# KiCad board jetson-nano-baseboard.kicad_pcb (continued)
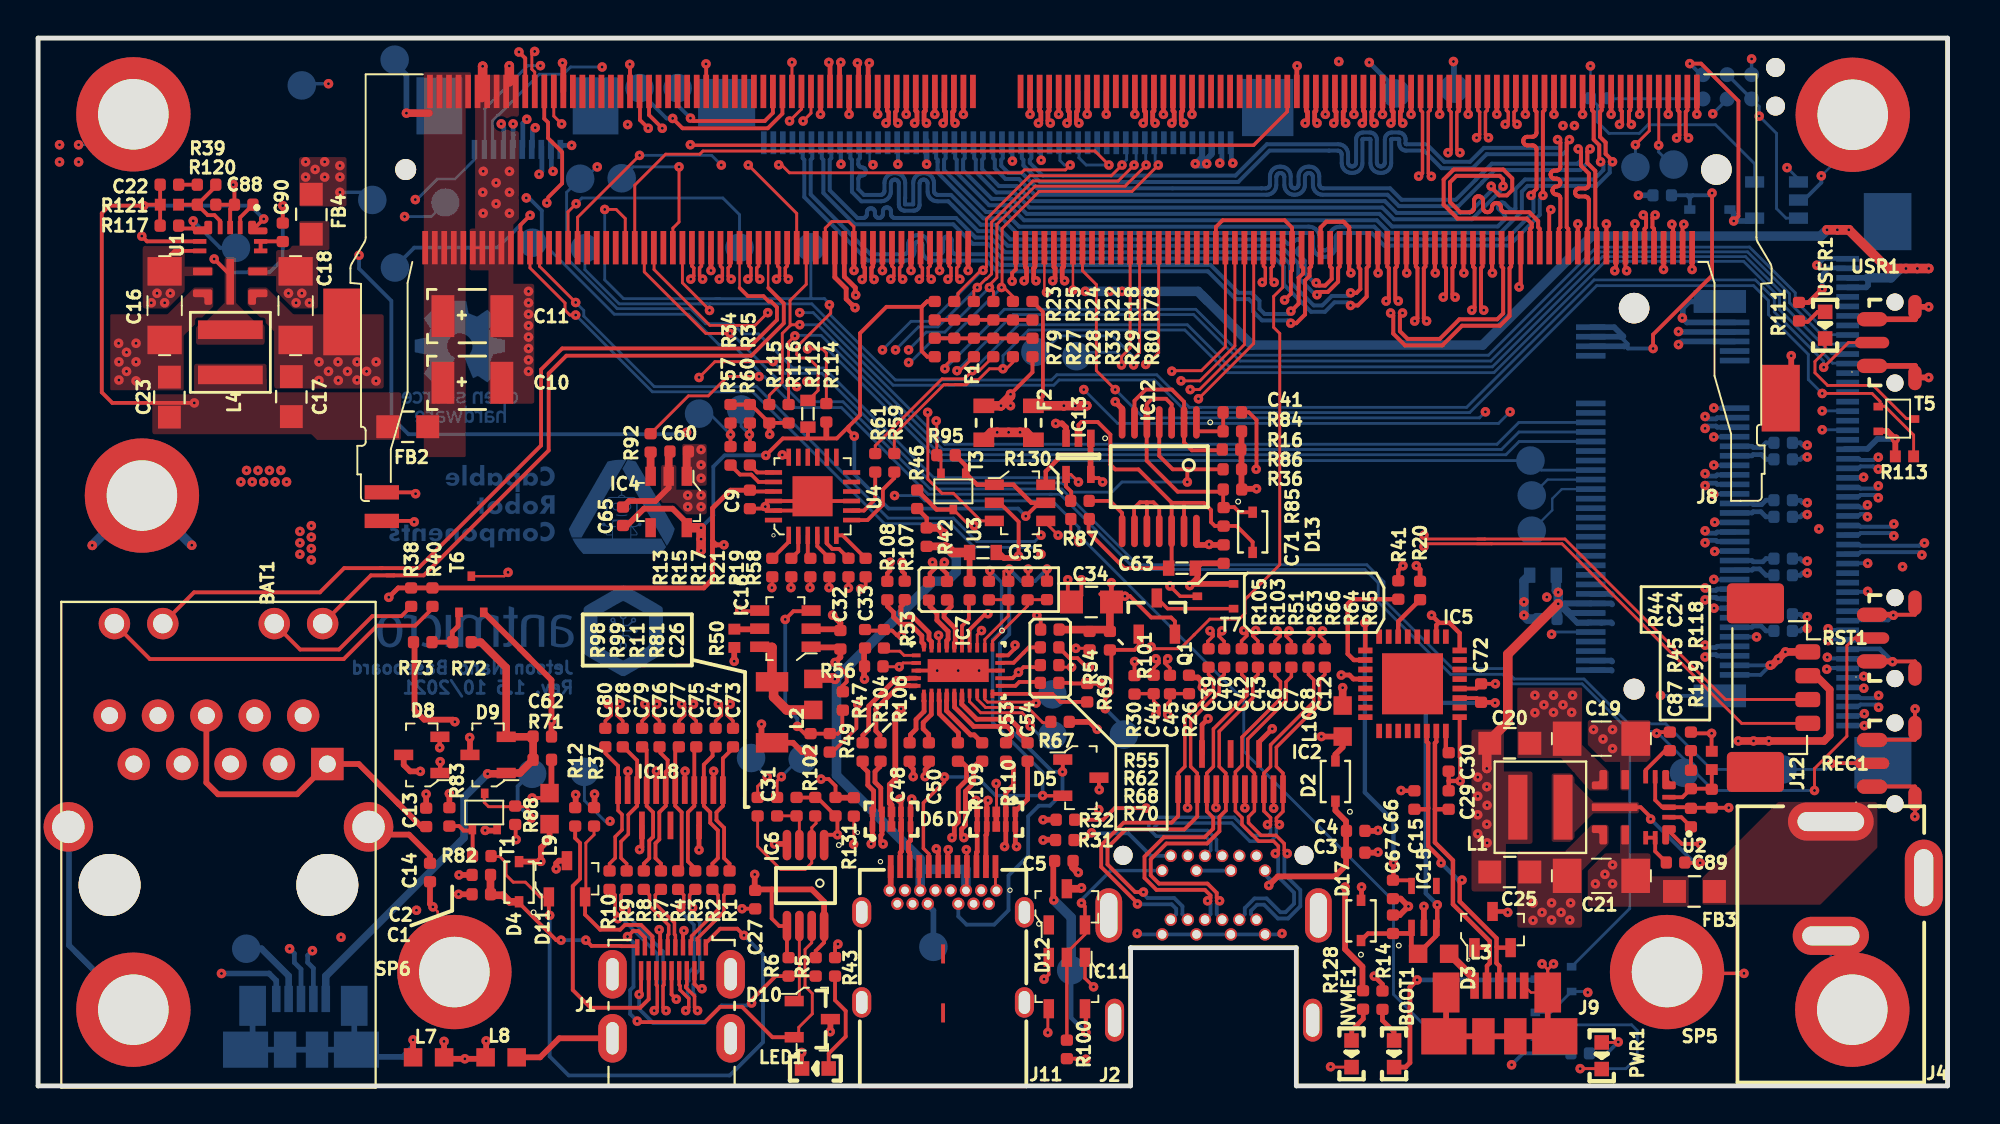
[diagram p0: board, top side]
## Routing (per net, layer and track width the routed paths; a pad name or vN(x,y) marks a point on that pad's centre or on a via; arc(x,y) is an arc through that point) (continued)
/CSI/CSI_C_D1_N: length 55.7
  Top w0.21: v1(72.88,40.15) 72.74,40.29 72.74,42.93 72.82,43.01 72.82,44
  In5_3V3_SYS_SIGNAL.Cu w0.128: v1(72.88,40.15) 72.7,40.33 72.7,40.4 72.89,40.59 74.09,40.59 76.06,38.62 76.06,36.4 76.43,36.03 76.43,29.95 76.43,29.92 76.42,29.89 76.4,29.87 76.38,29.85 76.36,29.83 76.33,29.83 76.3,29.82 75.92,29.82 75.84,29.81 75.76,29.79 75.69,29.74 75.64,29.69 75.59,29.62 75.57,29.54 75.56,29.46 75.56,29.42 75.57,29.34 75.59,29.26 75.64,29.2 75.69,29.14 75.76,29.1 75.84,29.07 75.92,29.06 76.91,29.06 76.93,29.06 76.95,29.05 76.97,29.04 76.99,29.02 77,29 77,28.98 77.01,28.96 77.01,28.9 77,28.88 77,28.86 76.99,28.84 76.97,28.83 76.95,28.81 76.93,28.81 76.91,28.8 75.92,28.8 75.84,28.8 75.76,28.77 75.69,28.73 75.64,28.67 75.59,28.6 75.57,28.52 75.56,28.45 75.56,28.4 75.57,28.32 75.59,28.25 75.64,28.18 75.69,28.12 75.76,28.08 75.84,28.05 75.92,28.04 76.91,28.04 76.93,28.04 76.95,28.03 76.97,28.02 76.99,28.01 77,27.99 77,27.97 77.01,27.94 77.01,27.88 77,27.86 77,27.84 76.99,27.82 76.97,27.81 76.95,27.8 76.93,27.79 76.91,27.79 75.92,27.79 75.84,27.78 75.76,27.75 75.69,27.71 75.64,27.65 75.59,27.58 75.57,27.51 75.56,27.43 75.56,27.38 75.57,27.3 75.59,27.23 75.64,27.16 75.69,27.1 75.76,27.06 75.84,27.03 75.92,27.02 76.91,27.02 76.93,27.02 76.95,27.01 76.97,27 76.99,26.99 77,26.97 77,26.95 77.01,26.93 77.01,26.87 77,26.84 77,26.82 76.99,26.8 76.97,26.79 76.95,26.78 76.93,26.77 76.91,26.77 75.92,26.77 75.84,26.76 75.76,26.73 75.69,26.69 75.64,26.63 75.59,26.56 75.57,26.49 75.56,26.41 75.56,26.37 75.57,26.29 75.59,26.21 75.64,26.14 75.69,26.08 75.76,26.04 75.84,26.02 75.92,26.01 77.23,26.01 77.26,26 77.28,25.99 77.31,25.98 77.33,25.96 77.34,25.93 77.35,25.91 77.36,25.88 77.35,25.85 77.34,25.82 77.33,25.8 77.31,25.78 77.28,25.76 77.26,25.75 77.23,25.75 76.79,25.75 76.71,25.74 76.64,25.71 76.57,25.67 76.51,25.61 76.47,25.55 76.44,25.47 76.43,25.39 76.43,24.79 78.31,22.92 84.41,22.92 86.57,20.76 91.9,20.76 92.2,21.06 94.67,21.06 94.71,21.05 94.74,21.04 94.77,21.03 94.79,21 94.81,20.97 94.82,20.94 94.82,20.91 94.82,20.87 94.83,20.84 94.84,20.81 94.86,20.78 94.88,20.75 94.91,20.74 94.94,20.73 94.97,20.72 95.01,20.73 95.04,20.74 95.07,20.75 95.09,20.78 95.11,20.81 95.12,20.84 95.12,20.87 95.12,20.91 95.13,20.94 95.14,20.97 95.16,21 95.18,21.03 95.21,21.04 95.24,21.05 95.27,21.06 95.64,21.06 v1(95.83,20.87)
  Bottom w0.21: v1(95.83,20.87) 95.77,20.94 94.84,20.94
/CSI/CSI_C_D1_P: length 55.7
  Top w0.21: v1(72.26,40.15) 72.4,40.29 72.4,42.93 72.32,43.01 72.32,44
  In5_3V3_SYS_SIGNAL.Cu w0.128: v1(95.83,21.5) 95.64,21.31 92.1,21.31 91.79,21.01 86.68,21.01 84.52,23.17 78.42,23.17 76.69,24.9 76.69,25.37 76.69,25.4 76.7,25.42 76.71,25.45 76.73,25.47 76.76,25.48 76.79,25.49 76.81,25.5 77.25,25.5 77.33,25.51 77.41,25.53 77.48,25.58 77.53,25.63 77.57,25.7 77.6,25.78 77.61,25.86 77.61,25.9 77.6,25.98 77.57,26.06 77.53,26.12 77.48,26.18 77.41,26.22 77.33,26.25 77.25,26.26 75.94,26.26 75.91,26.26 75.88,26.27 75.86,26.29 75.84,26.31 75.82,26.33 75.81,26.36 75.81,26.39 75.81,26.42 75.82,26.44 75.84,26.47 75.86,26.49 75.88,26.5 75.91,26.51 75.94,26.52 76.93,26.52 77,26.52 77.07,26.55 77.14,26.59 77.19,26.64 77.23,26.7 77.25,26.77 77.26,26.85 77.26,26.95 77.25,27.02 77.23,27.09 77.19,27.15 77.14,27.2 77.07,27.24 77,27.27 76.93,27.28 75.94,27.28 75.91,27.28 75.88,27.29 75.86,27.3 75.84,27.33 75.82,27.35 75.81,27.38 75.81,27.41 75.81,27.43 75.82,27.46 75.84,27.48 75.86,27.51 75.88,27.52 75.91,27.53 75.94,27.53 76.93,27.53 77,27.54 77.07,27.57 77.14,27.61 77.19,27.66 77.23,27.72 77.25,27.79 77.26,27.86 77.26,27.96 77.25,28.04 77.23,28.11 77.19,28.17 77.14,28.22 77.07,28.26 77,28.29 76.93,28.3 75.94,28.3 75.91,28.3 75.88,28.31 75.86,28.32 75.84,28.34 75.82,28.37 75.81,28.39 75.81,28.42 75.81,28.45 75.82,28.48 75.84,28.5 75.86,28.52 75.88,28.54 75.91,28.55 75.94,28.55 76.93,28.55 77,28.56 77.07,28.58 77.14,28.62 77.19,28.68 77.23,28.74 77.25,28.81 77.26,28.88 77.26,28.98 77.25,29.06 77.23,29.13 77.19,29.19 77.14,29.24 77.07,29.28 77,29.3 76.93,29.31 75.94,29.31 75.91,29.32 75.88,29.33 75.86,29.34 75.84,29.36 75.82,29.39 75.81,29.41 75.81,29.44 75.81,29.47 75.82,29.5 75.84,29.52 75.86,29.54 75.88,29.56 75.91,29.57 75.94,29.57 76.33,29.57 76.41,29.58 76.48,29.6 76.55,29.65 76.61,29.7 76.65,29.77 76.68,29.85 76.69,29.93 76.69,36.13 76.31,36.51 76.31,38.72 74.19,40.85 72.78,40.85 72.44,40.51 72.44,40.33 v1(72.26,40.15)
  Bottom w0.21: 94.84,21.44 95.77,21.44 v1(95.83,21.5)
/CSI/CSI_D_D0_N: length 55.7
  Top w0.21: v1(70.99,40.57) 71.13,40.43 71.13,39.49 71.75,38.87 73.71,38.87 74.74,39.9 76.73,39.9 77.24,40.41 77.24,42.93 77.32,43.01 77.32,44
  In5_3V3_SYS_SIGNAL.Cu w0.128: v1(70.99,40.57) 71.17,40.4 71.17,39.32 71.76,38.73 73.6,38.73 75.07,37.26 75.07,24.83 77.68,22.22 84.31,22.22 86.27,20.25 94.52,20.25 94.71,20.06 96.42,20.06 v1(96.61,19.87)
  Bottom w0.21: 94.84,19.94 95.57,19.94 95.66,20.02 96.46,20.02 v1(96.61,19.87)
/CSI/CSI_D_D0_P: length 55.6
  Top w0.21: v1(71.62,40.57) 71.48,40.43 71.48,39.61 71.88,39.21 73.57,39.21 74.6,40.24 76.59,40.24 76.9,40.55 76.9,42.93 76.82,43.01 76.82,44
  In5_3V3_SYS_SIGNAL.Cu w0.128: v1(96.61,20.5) 96.42,20.31 94.82,20.31 94.63,20.5 94.49,20.5 94.46,20.51 94.42,20.52 94.4,20.54 94.37,20.56 94.35,20.59 94.34,20.62 94.34,20.69 94.33,20.72 94.31,20.75 94.28,20.77 94.26,20.79 94.22,20.8 94.19,20.8 94.16,20.8 94.12,20.79 94.1,20.77 94.07,20.75 94.05,20.72 94.04,20.69 94.04,20.62 94.03,20.59 94.01,20.56 93.98,20.54 93.96,20.52 93.92,20.51 93.89,20.5 93.86,20.51 93.82,20.52 93.8,20.54 93.77,20.56 93.75,20.59 93.74,20.62 93.74,20.69 93.73,20.72 93.71,20.75 93.68,20.77 93.66,20.79 93.62,20.8 93.59,20.8 93.56,20.8 93.52,20.79 93.5,20.77 93.47,20.75 93.45,20.72 93.44,20.69 93.44,20.62 93.43,20.59 93.41,20.56 93.38,20.54 93.36,20.52 93.32,20.51 93.29,20.5 93.26,20.51 93.22,20.52 93.2,20.54 93.17,20.56 93.15,20.59 93.14,20.62 93.14,20.69 93.13,20.72 93.11,20.75 93.08,20.77 93.06,20.79 93.02,20.8 92.99,20.8 92.96,20.8 92.92,20.79 92.9,20.77 92.87,20.75 92.85,20.72 92.84,20.69 92.84,20.62 92.83,20.59 92.81,20.56 92.78,20.54 92.76,20.52 92.72,20.51 92.69,20.5 92.66,20.51 92.62,20.52 92.6,20.54 92.57,20.56 92.55,20.59 92.54,20.62 92.54,20.69 92.53,20.72 92.51,20.75 92.48,20.77 92.46,20.79 92.42,20.8 92.39,20.8 92.36,20.8 92.32,20.79 92.3,20.77 92.27,20.75 92.25,20.72 92.24,20.69 92.24,20.62 92.23,20.59 92.21,20.56 92.18,20.54 92.16,20.52 92.12,20.51 92.09,20.5 86.38,20.5 84.41,22.47 77.79,22.47 75.32,24.93 75.32,37.36 73.7,38.98 71.86,38.98 71.42,39.42 71.42,40.37 v1(71.62,40.57)
  Bottom w0.21: 94.84,20.44 95.57,20.44 95.66,20.35 96.46,20.35 v1(96.61,20.5)
/CSI/CSI_D_D1_N: length 55.3
  Top w0.21: 71.24,41.29 71.24,42.93 71.32,43.01 71.32,44
  In5_3V3_SYS_SIGNAL.Cu w0.128: v1(95.86,18.91) 95.69,19.08 94.23,19.08 93.63,19.68 82.84,19.68 81.18,21.34 77.06,21.34 73.92,24.48 73.92,25.06 73.92,25.09 73.91,25.11 73.89,25.14 73.87,25.16 73.85,25.17 73.82,25.18 73.8,25.18 73.65,25.18 73.57,25.19 73.49,25.22 73.43,25.26 73.37,25.32 73.33,25.38 73.3,25.46 73.29,25.54 73.29,25.59 73.3,25.67 73.33,25.74 73.37,25.81 73.43,25.87 73.49,25.91 73.57,25.94 73.65,25.94 74.42,25.94 74.45,25.95 74.48,25.96 74.5,25.97 74.52,25.99 74.53,26.01 74.54,26.04 74.55,26.07 74.55,26.08 74.54,26.1 74.53,26.13 74.52,26.15 74.5,26.17 74.48,26.19 74.45,26.2 74.42,26.2 73.68,26.2 73.6,26.21 73.53,26.23 73.47,26.27 73.42,26.33 73.38,26.39 73.35,26.46 73.34,26.53 73.34,26.63 73.35,26.71 73.38,26.78 73.42,26.84 73.47,26.89 73.53,26.93 73.6,26.95 73.68,26.96 74.42,26.96 74.45,26.97 74.48,26.97 74.5,26.99 74.52,27.01 74.53,27.03 74.54,27.06 74.55,27.09 74.55,27.1 74.54,27.12 74.53,27.15 74.52,27.17 74.5,27.19 74.48,27.21 74.45,27.22 74.42,27.22 73.65,27.22 73.57,27.23 73.49,27.25 73.43,27.3 73.37,27.35 73.33,27.42 73.3,27.49 73.29,27.57 73.29,27.63 73.3,27.7 73.33,27.78 73.37,27.85 73.43,27.9 73.49,27.95 73.57,27.97 73.65,27.98 73.8,27.98 73.82,27.98 73.85,27.99 73.87,28.01 73.89,28.03 73.91,28.05 73.92,28.08 73.92,28.1 73.92,37.49 73.19,38.22 71.21,38.22 70.98,38.45 69.95,39.48 69.95,41.72 70.25,42.02 71.05,42.02 71.2,41.87 71.2,41.39 v1(71.4,41.2)
  Bottom w0.21: 94.84,18.94 95.84,18.94 95.94,18.84
/CSI/CSI_D_D1_P: length 55.3
  Top w0.21: v1(70.76,41.2) 70.9,41.34 70.9,42.93 70.82,43.01 M1.66
  In5_3V3_SYS_SIGNAL.Cu w0.128: v1(95.86,19.54) 95.66,19.34 95.37,19.34 95.34,19.34 95.32,19.35 95.29,19.36 95.27,19.39 95.26,19.41 95.25,19.44 95.24,19.46 95.24,19.57 95.24,19.6 95.23,19.63 95.21,19.65 95.19,19.67 95.17,19.69 95.14,19.7 95.11,19.7 95.09,19.7 95.06,19.69 95.04,19.67 95.01,19.65 95,19.63 94.99,19.6 94.99,19.57 94.99,19.46 94.98,19.44 94.97,19.41 94.96,19.39 94.94,19.36 94.91,19.35 94.89,19.34 94.86,19.34 94.33,19.34 94.31,19.36 94.3,19.39 94.29,19.41 94.29,19.44 94.3,19.47 94.31,19.5 94.33,19.52 94.48,19.66 94.49,19.69 94.51,19.71 94.51,19.74 94.51,19.77 94.51,19.8 94.49,19.82 94.48,19.85 94.45,19.86 94.43,19.88 94.4,19.88 94.37,19.88 94.34,19.88 94.32,19.86 94.3,19.85 94.15,19.7 94.13,19.68 94.1,19.67 94.07,19.66 94.04,19.66 94.02,19.67 93.99,19.68 93.97,19.7 93.74,19.93 82.95,19.93 81.28,21.6 77.16,21.6 74.17,24.59 74.17,25.08 74.16,25.16 74.14,25.23 74.1,25.3 74.04,25.36 73.97,25.4 73.9,25.43 73.82,25.44 73.67,25.44 73.64,25.44 73.62,25.45 73.59,25.46 73.57,25.48 73.56,25.51 73.55,25.53 73.55,25.56 73.55,25.57 73.55,25.6 73.56,25.62 73.57,25.65 73.59,25.66 73.62,25.68 73.64,25.69 73.67,25.69 74.45,25.69 74.52,25.7 74.6,25.73 74.67,25.77 74.72,25.83 74.76,25.89 74.79,25.97 74.8,26.05 74.8,26.1 74.79,26.18 74.76,26.25 74.72,26.32 74.67,26.38 74.6,26.42 74.52,26.44 74.45,26.45 73.7,26.45 73.67,26.46 73.65,26.46 73.63,26.47 73.62,26.49 73.61,26.51 73.6,26.53 73.6,26.55 73.6,26.61 73.6,26.63 73.61,26.65 73.62,26.67 73.63,26.69 73.65,26.7 73.67,26.71 73.7,26.71 74.45,26.71 74.52,26.72 74.6,26.74 74.67,26.79 74.72,26.84 74.76,26.91 74.79,26.99 74.8,27.06 74.8,27.12 74.79,27.2 74.76,27.27 74.72,27.34 74.67,27.39 74.6,27.44 74.52,27.46 74.45,27.47 73.67,27.47 73.64,27.47 73.62,27.48 73.59,27.5 73.57,27.52 73.56,27.54 73.55,27.57 73.55,27.6 73.55,27.6 73.55,27.63 73.56,27.66 73.57,27.68 73.59,27.7 73.62,27.72 73.64,27.72 73.67,27.73 73.82,27.73 73.9,27.74 73.97,27.76 74.04,27.8 74.1,27.86 74.14,27.93 74.16,28 74.17,28.08 74.17,37.6 73.29,38.48 71.31,38.48 70.2,39.59 70.2,41.62 70.35,41.77 70.95,41.77 70.95,41.39 v1(70.76,41.2)
  Bottom w0.21: 94.84,19.44 95.8,19.44 95.86,19.5
/CSI/CSI_E_CLK_N: length 43.8
  Top w0.21: M1.28 80.32,44.99 80.24,45.07 80.24,49.53 v1(80.38,49.67)
  Bottom w0.21: 51.64,49.42 51.64,48.7 51.72,48.62 51.72,48.32 52.59,47.45 62.99,47.45 64.64,49.09 68.21,49.09 68.26,49.09 68.31,49.07 68.34,49.05 68.38,49.01 68.4,48.97 68.42,48.93 68.42,48.88 68.42,48.44 68.44,48.33 68.47,48.22 68.54,48.12 68.62,48.04 68.71,47.98 68.82,47.94 68.94,47.93 69,47.93 69.11,47.94 69.22,47.98 69.32,48.04 69.4,48.12 69.46,48.22 69.5,48.33 69.51,48.44 69.51,49.65 69.52,49.67 69.52,49.68 69.53,49.69 69.54,49.7 69.55,49.71 69.56,49.71 69.57,49.71 69.88,49.71 69.89,49.71 69.9,49.71 69.91,49.7 69.92,49.69 69.93,49.68 69.93,49.67 69.93,49.65 69.93,48.44 69.95,48.33 69.98,48.22 70.05,48.12 70.13,48.04 70.22,47.98 70.33,47.94 70.45,47.93 70.51,47.93 70.62,47.94 70.73,47.98 70.83,48.04 70.91,48.12 70.97,48.22 71.01,48.33 71.02,48.44 71.02,49.65 71.03,49.67 71.03,49.68 71.04,49.69 71.05,49.7 71.06,49.71 71.07,49.71 71.08,49.71 71.39,49.71 71.4,49.71 71.41,49.71 71.42,49.7 71.43,49.69 71.44,49.68 71.44,49.67 71.44,49.65 71.44,49.46 71.45,49.38 71.48,49.3 71.52,49.23 71.58,49.17 71.65,49.13 71.73,49.1 71.81,49.09 72.75,49.09 73.67,48.17 75.3,48.17 76.03,48.91 80.04,48.91 80.24,49.1 80.24,49.53 v1(80.38,49.67)
/CSI/CSI_E_CLK_P: length 43.8
  Top w0.21: M1.30 79.82,44.99 79.9,45.07 79.9,46.58 79.9,46.63 79.88,46.67 79.86,46.71 79.82,46.74 79.78,46.77 79.74,46.78 79.65,46.79 79.61,46.81 79.57,46.83 79.53,46.87 79.51,46.91 79.49,46.95 79.49,47 79.49,47 79.49,47.05 79.51,47.09 79.53,47.13 79.57,47.16 79.61,47.19 79.65,47.2 79.74,47.21 79.78,47.23 79.82,47.25 79.86,47.29 79.88,47.33 79.9,47.37 79.9,47.42 79.9,47.46 79.88,47.51 79.86,47.55 79.82,47.58 79.78,47.6 79.74,47.62 79.69,47.63 79.6,47.63 79.55,47.63 79.51,47.65 79.47,47.67 79.43,47.7 79.41,47.74 79.39,47.79 79.39,47.84 79.39,47.88 79.41,47.93 79.43,47.97 79.47,48 79.51,48.02 79.55,48.04 79.6,48.05 79.69,48.05 79.74,48.05 79.78,48.07 79.82,48.09 79.86,48.12 79.88,48.16 79.9,48.21 79.9,48.26 79.9,49.53 v1(79.76,49.67)
  Bottom w0.21: v1(79.76,49.67) 79.9,49.53 79.9,49.24 75.89,49.24 75.16,48.51 73.81,48.51 72.89,49.43 71.84,49.43 71.82,49.43 71.81,49.43 71.8,49.44 71.79,49.45 71.78,49.46 71.78,49.47 71.78,49.49 71.78,49.68 71.77,49.76 71.74,49.84 71.7,49.91 71.64,49.97 71.57,50.01 71.49,50.04 71.41,50.05 71.06,50.05 70.98,50.04 70.9,50.01 70.83,49.97 70.77,49.91 70.73,49.84 70.7,49.76 70.69,49.68 70.69,48.47 70.68,48.42 70.67,48.38 70.64,48.34 70.61,48.31 70.57,48.28 70.53,48.27 70.48,48.26 70.43,48.27 70.39,48.28 70.35,48.31 70.31,48.34 70.29,48.38 70.27,48.42 70.27,48.47 70.27,49.68 70.26,49.76 70.23,49.84 70.19,49.91 70.13,49.97 70.06,50.01 69.98,50.04 69.9,50.05 69.55,50.05 69.47,50.04 69.39,50.01 69.32,49.97 69.26,49.91 69.22,49.84 69.19,49.76 69.18,49.68 69.18,48.47 69.17,48.42 69.16,48.38 69.13,48.34 69.1,48.31 69.06,48.28 69.02,48.27 68.97,48.26 68.92,48.27 68.88,48.28 68.84,48.31 68.8,48.34 68.78,48.38 68.76,48.42 68.76,48.47 68.76,48.91 68.75,49.03 68.71,49.14 68.65,49.24 68.57,49.32 68.47,49.38 68.36,49.42 68.25,49.43 64.5,49.43 62.85,47.78 52.72,47.78 52.05,48.45 52.05,48.62 52.14,48.7 52.14,49.42
/CSI/CSI_E_D0_N: length 43.7
  Top w0.21: v1(81.46,49.18) 81.32,49.04 81.32,48.44 81.74,48.03 81.74,45.07 81.82,44.99 M1.22
  Bottom w0.21: 50.14,49.42 50.14,48.7 50.22,48.62 50.22,48.16 50.78,47.6 51.48,47.6 52.31,46.78 64.48,46.78 64.59,46.79 64.7,46.83 64.8,46.89 64.88,46.97 64.94,47.07 64.98,47.18 64.99,47.29 64.99,47.71 65,47.75 65.01,47.8 65.04,47.84 65.07,47.87 65.11,47.9 65.16,47.91 65.2,47.92 65.25,47.91 65.29,47.9 65.33,47.87 65.37,47.84 65.39,47.8 65.41,47.75 65.41,47.71 65.41,47.29 65.43,47.18 65.46,47.07 65.53,46.97 65.61,46.89 65.7,46.83 65.81,46.79 65.93,46.78 65.98,46.78 66.09,46.79 66.2,46.83 66.3,46.89 66.38,46.97 66.44,47.07 66.48,47.18 66.49,47.29 66.49,47.71 66.5,47.75 66.51,47.8 66.54,47.84 66.57,47.87 66.61,47.9 66.66,47.91 66.7,47.92 66.75,47.91 66.79,47.9 66.83,47.87 66.87,47.84 66.89,47.8 66.91,47.75 66.91,47.71 66.91,47.29 66.93,47.18 66.96,47.07 67.03,46.97 67.11,46.89 67.2,46.83 67.31,46.79 67.43,46.78 70.83,46.78 71.43,46.18 74.55,46.18 75.79,47.42 75.79,47.42 76.07,47.7 76.08,47.7 76.45,48.07 80.95,48.07 81.32,48.44 81.32,49.04 v1(81.46,49.18)
/CSI/CSI_E_D0_P: length 43.7
  Top w0.21: v1(80.84,49.18) 80.98,49.04 80.98,48.31 81.4,47.89 81.4,47.32 81.4,47.27 81.38,47.23 81.36,47.19 81.32,47.15 81.28,47.13 81.24,47.11 81.19,47.11 80.88,47.11 80.84,47.1 80.79,47.09 80.75,47.06 80.72,47.03 80.7,46.99 80.68,46.94 80.67,46.9 80.68,46.85 80.7,46.81 80.72,46.77 80.75,46.73 80.79,46.71 80.84,46.69 80.88,46.69 81.19,46.69 81.24,46.68 81.28,46.67 81.32,46.64 81.36,46.61 81.38,46.57 81.4,46.52 81.4,46.48 81.4,45.07 81.32,44.99 M1.24
  Bottom w0.21: v1(80.84,49.18) 80.98,49.04 80.98,48.58 80.81,48.41 76.31,48.41 75.94,48.04 75.93,48.04 75.46,47.56 75.46,47.56 74.41,46.51 71.57,46.51 70.97,47.11 67.46,47.11 67.41,47.12 67.37,47.13 67.33,47.16 67.29,47.19 67.27,47.23 67.25,47.28 67.25,47.32 67.25,47.74 67.24,47.85 67.2,47.96 67.14,48.06 67.06,48.14 66.96,48.2 66.85,48.24 66.74,48.25 66.67,48.25 66.56,48.24 66.45,48.2 66.35,48.14 66.27,48.06 66.21,47.96 66.17,47.85 66.16,47.74 66.16,47.32 66.15,47.28 66.14,47.23 66.11,47.19 66.08,47.16 66.04,47.13 66,47.12 65.95,47.11 65.96,47.11 65.91,47.12 65.87,47.13 65.83,47.16 65.79,47.19 65.77,47.23 65.75,47.28 65.75,47.32 65.75,47.74 65.74,47.85 65.7,47.96 65.64,48.06 65.56,48.14 65.46,48.2 65.35,48.24 65.24,48.25 65.17,48.25 65.06,48.24 64.95,48.2 64.85,48.14 64.77,48.06 64.71,47.96 64.67,47.85 64.66,47.74 64.66,47.32 64.65,47.28 64.64,47.23 64.61,47.19 64.58,47.16 64.54,47.13 64.5,47.12 64.45,47.11 64.21,47.11 52.45,47.11 51.62,47.94 50.92,47.94 50.55,48.3 50.55,48.62 50.64,48.7 50.64,49.42
/CSI/CSI_E_D1_N: length 43.7
  Top w0.21: v1(76.9,47.22) 76.9,47.59 76.72,47.77 74.44,47.77 74.11,47.44 74.11,46.4 74.65,45.86 75.14,45.86 75.19,45.87 75.24,45.88 75.28,45.91 75.32,45.95 75.35,45.99 75.37,46.04 75.37,46.1 75.37,46.46 75.38,46.51 75.4,46.56 75.42,46.61 75.46,46.65 75.51,46.67 75.55,46.69 75.61,46.7 75.66,46.69 75.71,46.67 75.75,46.65 75.79,46.61 75.82,46.56 75.84,46.51 75.84,46.46 75.84,46.1 75.85,46.04 75.87,45.99 75.89,45.95 75.93,45.91 75.98,45.88 76.02,45.87 76.08,45.86 76.13,45.87 76.18,45.88 76.22,45.91 76.26,45.95 76.29,45.99 76.31,46.04 76.31,46.1 76.31,46.11 76.32,46.16 76.34,46.21 76.36,46.26 76.4,46.3 76.45,46.32 76.49,46.34 76.55,46.35 76.6,46.34 76.65,46.32 76.69,46.3 76.73,46.26 76.76,46.21 76.78,46.16 76.78,46.11 76.78,46.1 76.79,46.04 76.81,45.99 76.83,45.95 76.87,45.91 76.92,45.88 76.96,45.87 77.02,45.86 78.27,45.86 78.74,45.4 78.74,45.07 78.82,44.99 78.82,44
  Bottom w0.21: 49.14,49.42 49.14,48.7 49.22,48.62 49.22,47.98 50.3,46.9 51.24,46.9 52.03,46.11 70.55,46.11 71.17,45.49 75.26,45.49 76.75,46.98 76.75,47.08 v1(76.9,47.22) 76.9,47.17
/CSI/CSI_E_D1_P: length 43.8
  Top w0.21: 76.42,47.08 v1(76.27,47.22) 76.27,47.17 76.7,46.74 77.09,46.74 77.38,47.03 77.38,47.63 76.91,48.1 74.31,48.1 73.78,47.57 73.78,46.26 74.51,45.53 78.13,45.53 78.4,45.26 78.4,45.07 78.32,44.99 78.32,44
  Bottom w0.21: 49.64,49.42 49.64,48.7 49.55,48.62 49.55,48.12 50.44,47.23 51.38,47.23 52.17,46.44 70.69,46.44 71.31,45.82 75.12,45.82 76.39,47.1 v1(76.27,47.22)
/CSI/CSI_F_D0_N: length 43.7
  Top w0.21: v1(82.64,48.51) 82.64,48.56 82.28,48.92 82.28,49.52 81.99,49.81 81.99,51.13 82.07,51.21 M1.21
  Bottom w0.21: v1(82.64,48.51) 82.49,48.36 82.49,47.94 81.8,47.24 78.18,47.24 77.88,46.94 77.88,45.9 76.75,44.78 70.94,44.78 70.27,45.44 51.75,45.44 50.96,46.23 49.92,46.23 48.22,47.93 48.22,48.62 48.14,48.7 48.14,49.42
/CSI/CSI_F_D0_P: length 43.7
  Top w0.21: M1.23 81.57,51.21 81.65,51.13 81.65,49.67 81.94,49.38 81.94,48.58 v1(82.01,48.51)
  Bottom w0.21: v1(82.01,48.51) 82.16,48.36 82.16,48.08 81.66,47.58 78.04,47.58 77.55,47.08 77.55,46.04 77.51,46.01 77.47,45.99 77.42,45.98 77.37,45.98 77.33,45.99 77.29,46.01 77.25,46.04 76.98,46.31 76.95,46.34 76.9,46.36 76.86,46.37 76.81,46.37 76.76,46.36 76.72,46.34 76.69,46.31 76.66,46.27 76.64,46.23 76.63,46.18 76.63,46.14 76.64,46.09 76.66,46.05 76.69,46.01 76.95,45.75 76.98,45.71 77,45.67 77.01,45.62 77.01,45.57 77,45.53 76.98,45.49 76.95,45.45 76.62,45.11 71.07,45.11 70.41,45.77 51.89,45.77 51.1,46.56 50.06,46.56 48.55,48.07 48.55,48.62 48.64,48.7 48.64,49.42
/CSI/CSI_F_D1_N: length 43.8
  Top w0.21: v1(78.99,46.74) 78.99,51.13 79.07,51.21 M1.33
  Bottom w0.21: v1(78.99,46.74) 78.99,46.69 78.82,46.53 78.82,45.72 77.21,44.11 70.66,44.11 70,44.77 68.36,44.77 68.31,44.76 68.25,44.74 68.2,44.71 68.16,44.67 68.13,44.62 68.11,44.57 68.11,44.51 68.11,44.08 68.09,43.95 68.05,43.83 67.98,43.73 67.9,43.64 67.79,43.57 67.67,43.53 67.55,43.52 67.48,43.52 67.36,43.53 67.24,43.57 67.13,43.64 67.04,43.73 66.98,43.83 66.94,43.95 66.92,44.08 66.92,44.51 66.91,44.57 66.9,44.62 66.87,44.67 66.82,44.71 66.78,44.74 66.72,44.76 66.66,44.77 51.36,44.77 50.59,45.54 49.62,45.54 47.22,47.94 47.22,48.08 47.21,48.09 47.21,48.49 47.22,48.49 47.22,48.62 47.14,48.7 47.14,49.42
/CSI/CSI_F_D1_P: length 43.8
  Top w0.21: v1(78.36,46.74) 78.51,46.89 78.51,46.94 78.65,47.09 78.65,49.15 78.65,49.2 78.63,49.24 78.6,49.29 78.57,49.32 78.52,49.35 78.48,49.36 78.43,49.37 78.18,49.37 78.13,49.38 78.08,49.39 78.04,49.42 78,49.46 77.97,49.5 77.96,49.55 77.95,49.6 77.96,49.65 77.97,49.69 78,49.74 78.04,49.77 78.08,49.8 78.13,49.81 78.18,49.82 78.43,49.82 78.48,49.83 78.52,49.84 78.57,49.87 78.6,49.91 78.63,49.95 78.65,50 78.65,50.05 78.65,51.13 78.57,51.21 M1.35
  Bottom w0.21: v1(78.36,46.74) 78.49,46.62 78.49,45.86 77.07,44.44 70.8,44.44 70.14,45.1 68.33,45.1 68.21,45.09 68.09,45.05 67.98,44.98 67.89,44.89 67.83,44.79 67.79,44.67 67.77,44.54 67.77,44.11 67.76,44.05 67.75,44 67.72,43.95 67.67,43.91 67.63,43.88 67.57,43.86 67.51,43.85 67.46,43.86 67.4,43.88 67.35,43.91 67.31,43.95 67.28,44 67.26,44.05 67.26,44.11 67.26,44.54 67.24,44.67 67.2,44.79 67.13,44.89 67.05,44.98 66.94,45.05 66.82,45.09 66.7,45.1 51.5,45.1 50.73,45.87 49.76,45.87 47.55,48.08 47.55,48.62 47.64,48.7 47.64,49.42
/CSI/CSI_G_CLK_N: length 37.3
  Top w0.21: v1(67.13,41.53) 67.28,41.67 67.7,41.67 68.24,42.21 68.24,42.93 68.32,43.01 M1.76
  Bottom w0.21: v1(67.13,41.53) 67.04,41.53 66.15,42.42 66.15,43.17 65.22,44.1 50.89,44.1 50.12,44.87 49.34,44.87 47.78,46.43 47.2,46.43 47.09,46.45 46.98,46.48 46.88,46.55 46.8,46.63 46.74,46.72 46.7,46.83 46.69,46.95 46.69,47.37 46.68,47.41 46.67,47.46 46.64,47.5 46.61,47.53 46.57,47.55 46.53,47.57 46.48,47.58 46.43,47.57 46.39,47.55 46.35,47.53 46.32,47.5 46.29,47.46 46.27,47.41 46.27,47.37 46.27,46.25 46.26,46.18 46.24,46.12 46.2,46.06 46.15,46.01 46.09,45.97 46.03,45.95 45.96,45.94 45.49,45.94 45.42,45.95 45.36,45.97 45.3,46.01 45.25,46.06 45.21,46.12 45.19,46.18 45.18,46.25 45.18,47.37 45.17,47.41 45.16,47.46 45.13,47.5 45.1,47.53 45.06,47.55 45.02,47.57 44.97,47.58 44.92,47.57 44.88,47.55 44.84,47.53 44.81,47.5 44.78,47.46 44.76,47.41 44.76,47.37 44.76,46.95 44.75,46.83 44.71,46.72 44.65,46.63 44.57,46.55 44.47,46.48 44.36,46.45 44.25,46.43 43.21,46.43 42.72,46.93 42.72,48.62 42.64,48.7 42.64,49.42
/CSI/CSI_G_CLK_P: length 37.3
  Top w0.21: v1(67.09,42.16) 67.24,42.01 67.56,42.01 67.9,42.35 67.9,42.93 67.82,43.01 M1.78
  Bottom w0.21: 43.14,49.42 43.14,48.7 43.05,48.62 43.05,48.41 43.06,48.36 43.07,48.32 43.1,48.28 43.13,48.25 43.16,48.23 43.2,48.22 43.29,48.21 43.33,48.19 43.37,48.17 43.4,48.14 43.42,48.1 43.44,48.06 43.44,48.02 43.44,47.99 43.44,47.94 43.42,47.9 43.4,47.86 43.37,47.83 43.33,47.81 43.29,47.8 43.2,47.79 43.16,47.77 43.13,47.75 43.1,47.72 43.07,47.68 43.06,47.64 43.05,47.6 43.05,47.07 43.35,46.77 44.21,46.77 44.26,46.77 44.31,46.79 44.35,46.81 44.38,46.85 44.4,46.89 44.42,46.93 44.42,46.98 44.42,47.4 44.44,47.51 44.48,47.62 44.54,47.72 44.62,47.8 44.71,47.86 44.82,47.9 44.94,47.91 45,47.91 45.11,47.9 45.22,47.86 45.32,47.8 45.4,47.72 45.46,47.62 45.5,47.51 45.51,47.4 45.51,46.6 45.5,46.6 45.5,46.27 45.93,46.27 45.93,47.4 45.95,47.51 45.99,47.62 46.05,47.72 46.13,47.8 46.22,47.86 46.33,47.9 46.45,47.91 46.51,47.91 46.62,47.9 46.73,47.86 46.83,47.8 46.91,47.72 46.97,47.62 47.01,47.51 47.02,47.4 47.02,46.98 47.03,46.93 47.05,46.89 47.07,46.85 47.1,46.81 47.14,46.79 47.19,46.77 47.23,46.77 47.91,46.77 49.48,45.2 50.26,45.2 51.03,44.43 65.36,44.43 65.55,44.24 65.59,44.22 65.63,44.2 65.68,44.18 65.72,44.18 65.77,44.2 65.81,44.22 65.85,44.24 65.97,44.37 66.01,44.4 66.05,44.42 66.1,44.43 66.15,44.43 66.19,44.42 66.23,44.4 66.27,44.37 66.3,44.34 66.32,44.29 66.33,44.25 66.33,44.2 66.32,44.15 66.3,44.11 66.27,44.08 66.14,43.95 66.12,43.91 66.09,43.87 66.08,43.82 66.08,43.78 66.09,43.73 66.12,43.69 66.14,43.65 66.48,43.31 66.48,42.66 66.99,42.16 v1(67.09,42.16)
/CSI/CSI_G_D0_N: length 37.3
  Top w0.21: v1(68.89,40.97) 69.27,40.97 69.74,41.43 69.74,42.93 69.83,43.02 69.83,43.3 69.82,43.32 M1.70
  Bottom w0.21: v1(68.89,40.97) 68.73,41.13 68.04,41.13 67.55,40.63 66.82,40.63 65.39,42.06 65.39,42.98 64.95,43.43 50.61,43.43 49.84,44.2 49.06,44.2 48.04,45.22 42.86,45.22 41.22,46.87 41.22,48.62 41.14,48.7 41.14,49.42
/CSI/CSI_G_D0_P: length 37.3
  Top w0.21: v1(68.89,41.63) 69.2,41.63 69.4,41.83 69.4,42.87 69.32,42.95 M1.72
  Bottom w0.21: 41.64,49.42 41.64,48.7 41.55,48.62 41.55,47.01 43,45.56 43.29,45.56 43.34,45.56 43.39,45.58 43.43,45.6 43.46,45.64 43.48,45.68 43.5,45.72 43.5,45.77 43.5,45.86 43.51,45.9 43.52,45.95 43.55,45.99 43.58,46.02 43.62,46.05 43.67,46.06 43.71,46.07 43.76,46.06 43.81,46.05 43.85,46.02 43.88,45.99 43.9,45.95 43.92,45.9 43.92,45.86 43.92,45.77 43.93,45.72 43.94,45.68 43.97,45.64 44,45.6 44.04,45.58 44.09,45.56 44.13,45.56 44.18,45.56 44.23,45.58 44.27,45.6 44.3,45.64 44.32,45.68 44.34,45.72 44.34,45.77 44.34,45.91 44.35,45.95 44.36,46 44.39,46.04 44.42,46.07 44.46,46.1 44.51,46.11 44.55,46.12 44.6,46.11 44.65,46.1 44.69,46.07 44.72,46.04 44.74,46 44.76,45.95 44.76,45.91 44.76,45.77 44.77,45.72 44.78,45.68 44.81,45.64 44.84,45.6 44.88,45.58 44.93,45.56 44.97,45.56 48.18,45.56 49.2,44.53 49.98,44.53 50.75,43.76 65.08,43.76 65.72,43.12 65.72,42.2 66.95,40.97 67.41,40.97 67.9,41.46 68.73,41.46 v1(68.89,41.63)
/CSI/CSI_G_D1_N: length 37.3
  Top w0.21: v1(65.75,40.03) 66.04,40.03 66.5,40.49 66.5,42.28 66.74,42.51 66.74,42.93 66.82,43.01 M1.82
  Bottom w0.21: v1(65.75,40.03) 65.6,40.18 64.24,40.18 63.77,40.65 63.77,41.07 63.55,41.3 62.86,41.3 61.4,42.76 50.34,42.76 49.77,43.32 46.94,43.32 46.82,43.33 46.71,43.37 46.62,43.43 46.53,43.51 46.47,43.61 46.43,43.72 46.42,43.83 46.42,44.11 46.42,44.16 46.4,44.21 46.38,44.25 46.34,44.28 46.3,44.3 46.26,44.32 46.21,44.32 46.17,44.32 46.12,44.3 46.08,44.28 46.05,44.25 46.02,44.21 46.01,44.16 46,44.11 46,43.83 45.99,43.72 45.95,43.61 45.89,43.51 45.81,43.43 45.71,43.37 45.6,43.33 45.49,43.32 45.46,43.32 43.55,43.32 40.22,46.65 40.22,48.62 40.14,48.7 40.14,49.42